# Altium PCB DIOT_temperature_logger.PcbDoc (part 7 of 8) (continued)
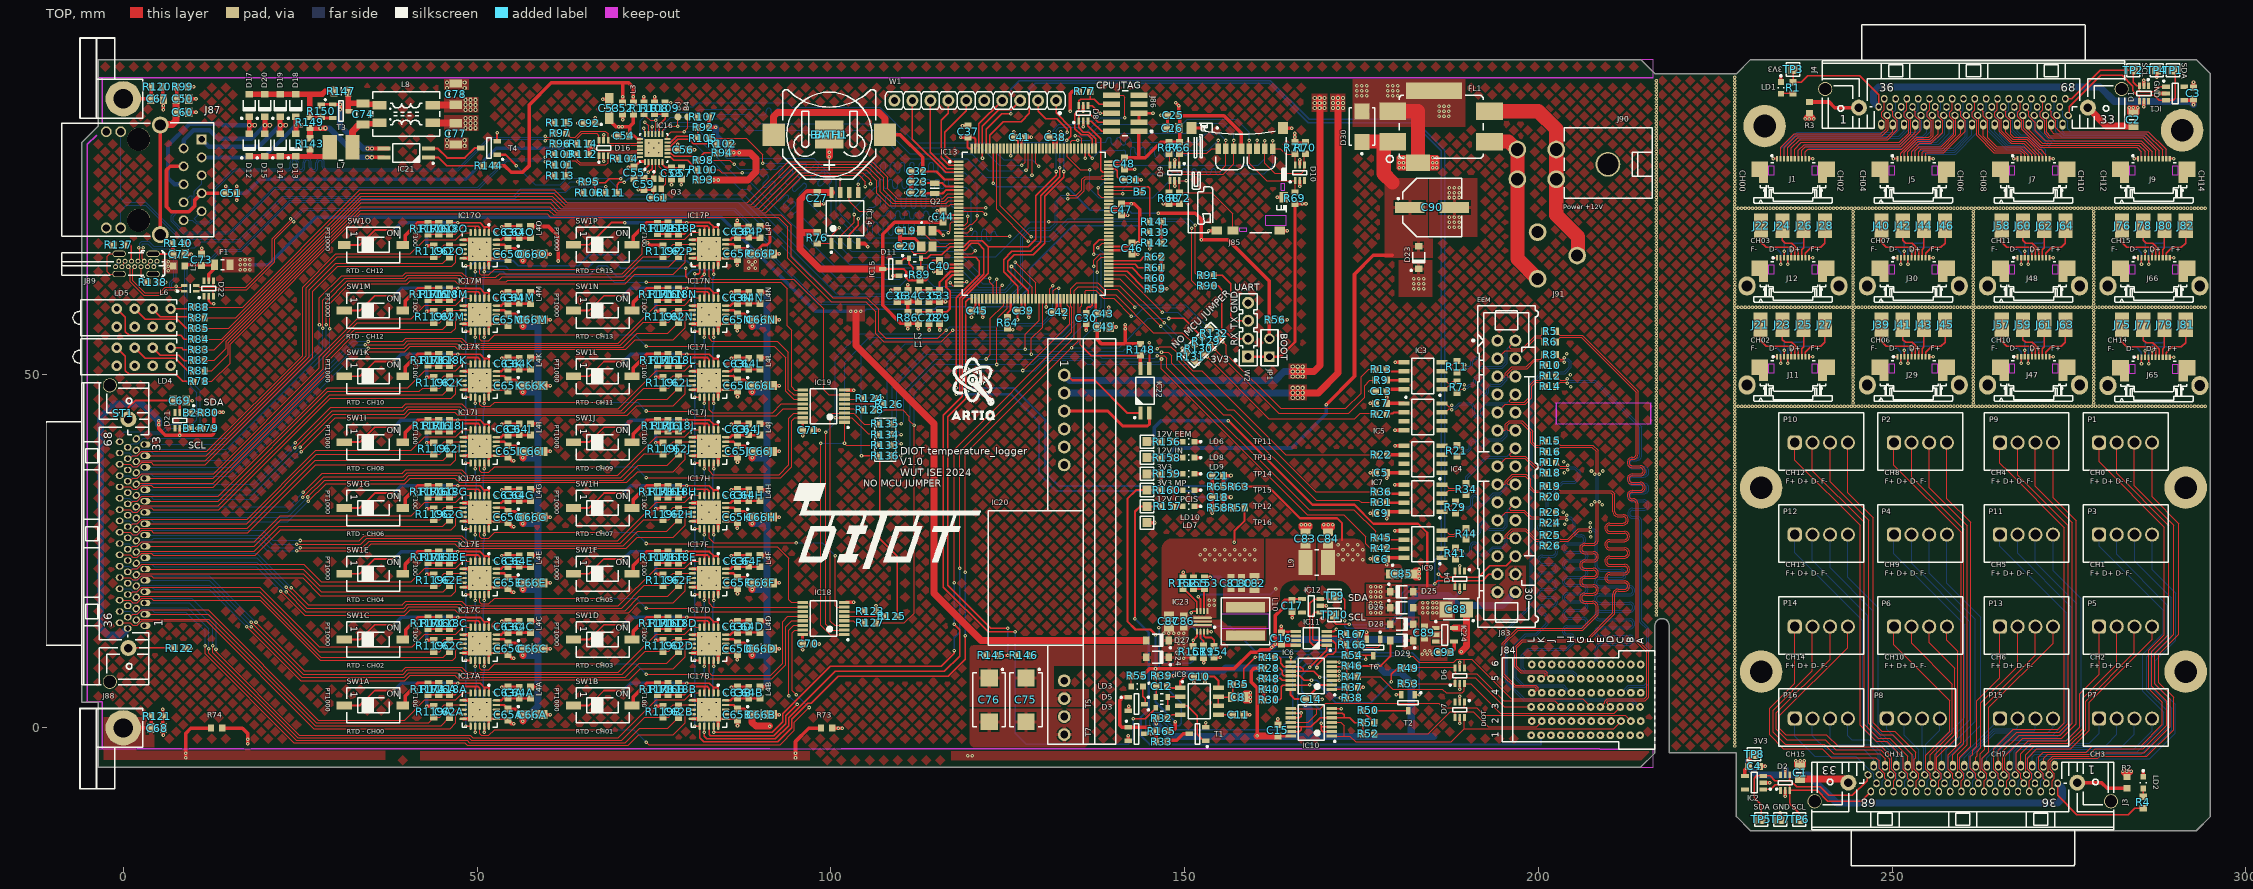
[diagram p0: TOP view]
## Nets (pads, with @x,y where several pads share a name; then routed paths per layer and width w, separated by ;. In a path a pad name is that pad's centre, name@x,y a point inside that pad or via, vN(x,y) a via of type N, cw(c..) or ccw(c..) an arc to the next point about the centre after c; other vN are vias at no path point) (continued)
  TOP w0.171: R109.1@76.605,88.375 R109.1@76.58,88.35 77.38,88.35 v1(77.387,88.357) ; IC13.35@118.055,63 119.18,63 v1(119.205,63.025)
  BOT w0.171: v1(77.387,88.357) 77.37,88.375 75.68,88.375 73.08,85.775 73.08,83.775 73.668,83.187 76.992,83.187 80.118,83.187 87.205,76.1 88.28,76.1 100.68,63.7 107.355,63.7 107.63,63.425 109.73,63.425 110.605,64.3 112.605,64.3 114.53,62.375 118.555,62.375 v1(119.205,63.025)
RMII_RXD0: IC13.44 R98.1 | length 64.7
  TOP w0.171: R98.1@82.78,80.25 85.705,80.25 v1(86.33,79.625) ; IC13.44@123.43,60.625 v1(123.43,63.425)
  BOT w0.171: v1(86.33,79.625) 87.03,78.925 91.972,78.925 92.092,78.925 ccw(c92.092,79.504) 92.501,79.094 92.67,79.262 cw(c92.91,79.022) 93.15,79.262 cw(c92.91,79.022) 93.15,78.783 92.711,78.343 ccw(c92.95,78.104) 92.711,77.864 ccw(c92.95,78.104) 93.19,77.864 94.081,78.755 cw(c94.321,78.515) 94.561,78.755 cw(c94.321,78.515) 94.561,78.275 93.67,77.384 ccw(c93.91,77.144) 93.67,76.904 ccw(c93.91,77.144) 94.15,76.904 95.041,77.795 cw(c95.281,77.555) 95.521,77.795 cw(c95.281,77.555) 95.521,77.315 94.63,76.424 ccw(c94.87,76.184) 94.63,75.944 ccw(c94.87,76.184) 95.11,75.944 96.001,76.835 cw(c96.241,76.595) 96.481,76.835 cw(c96.241,76.595) 96.481,76.355 95.59,75.464 ccw(c95.83,75.224) 95.59,74.984 ccw(c95.83,75.224) 96.07,74.984 96.321,75.236 cw(c96.561,74.996) 96.801,75.236 cw(c96.561,74.996) 96.801,74.756 96.79,74.745 ccw(c97.03,74.505) 96.79,74.265 99.332,71.723 99.392,71.663 99.392,69.913 102.78,66.525 117.705,66.525 121.455,62.775 122.78,62.775 v1(123.43,63.425)
RMII_RXD1: IC13.45 R100.1 | length 64.7
  TOP w0.171: R100.1@82.78,78.85 84.155,78.85 84.555,78.45 v1(87.48,78.45) ; IC13.45@123.93,60.625 123.93,62.25 v1(124.23,62.55)
  BOT w0.171: v1(87.48,78.45) 89.705,78.45 90.043,78.112 90.103,78.052 ccw(c90.343,78.292) 90.583,78.052 90.614,78.083 cw(c90.854,77.843) 91.094,78.083 cw(c90.854,77.843) 91.094,77.603 90.445,76.954 ccw(c90.685,76.714) 90.445,76.474 ccw(c90.685,76.714) 90.925,76.474 91.574,77.123 cw(c91.814,76.884) 92.054,77.123 cw(c91.814,76.884) 92.054,76.644 91.405,75.995 ccw(c91.645,75.755) 91.405,75.515 ccw(c91.645,75.755) 91.885,75.515 92.534,76.164 cw(c92.774,75.924) 93.014,76.164 cw(c92.774,75.924) 93.014,75.684 92.365,75.035 ccw(c92.604,74.795) 92.365,74.555 ccw(c92.604,74.795) 92.844,74.555 93.493,75.204 cw(c93.733,74.964) 93.973,75.204 cw(c93.733,74.964) 93.973,74.724 93.324,74.075 ccw(c93.564,73.835) 93.324,73.595 ccw(c93.564,73.835) 93.804,73.595 94.453,74.244 cw(c94.693,74.004) 94.933,74.244 cw(c94.693,74.004) 94.933,73.764 94.284,73.115 ccw(c94.524,72.875) 94.284,72.635 ccw(c94.524,72.875) 94.764,72.635 95.146,73.017 cw(c95.386,72.778) 95.626,73.017 cw(c95.386,72.778) 95.626,72.538 95.382,72.293 ccw(c95.622,72.053) 95.382,71.814 ccw(c95.622,72.053) 95.862,71.814 cw(c96.102,71.574) 96.341,71.814 100.925,67.23 100.985,67.17 102.605,65.55 117.63,65.55 120.93,62.25 123.93,62.25 v1(124.23,62.55)
RMII_TX_EN: IC13.126 IC16.16 | length 65.5
  TOP w0.171: IC16.16@74.73,83.85 v1(74.73,84.95) ; IC13.126@128.93,81.875 128.93,79.775 v1(129.355,79.35)
  BOT w0.171: v1(74.73,84.95) 74.73,86.3 76.18,87.75 80.58,87.75 81.205,88.375 93.93,88.375 94.58,87.725 96.055,87.725 106.905,87.725 111.955,82.675 122.03,82.675 122.455,82.25 122.515,82.19 ccw(c122.755,82.43) 122.995,82.19 123.114,82.308 cw(c123.354,82.068) 123.594,82.308 cw(c123.354,82.068) 123.594,81.828 123.475,81.71 ccw(c123.715,81.47) 123.475,81.23 124.135,80.57 124.196,80.509 124.43,80.275 128.43,80.275 v1(129.355,79.35)
RMII_TXD0: IC13.128 IC16.17 | length 64.1
  TOP w0.171: v1(73.73,85.575) 74.23,85.075 IC16.17@74.23,83.85 ; v1(127.58,78.775) 127.93,79.125 IC13.128@127.93,81.875
  BOT w0.171: v1(73.73,85.575) 74.205,85.1 74.205,84.7 74.53,84.375 75.455,84.375 77.38,86.3 81.505,86.3 81.955,86.75 88.105,86.75 89.455,85.4 96.178,85.4 101.542,85.4 106.855,85.4 111.13,81.125 119.93,81.125 122.305,78.75 127.58,78.75 v1(127.58,78.775)
RMII_TXD1: IC13.127 IC16.18 | length 64.8
  TOP w0.171: v1(73.555,84.75) 73.73,84.575 IC16.18@73.73,83.85 ; v1(128.43,78.075) IC13.127@128.43,81.875
  BOT w0.171: v1(73.555,84.75) 73.555,84.25 73.955,83.85 75.805,83.85 77.53,85.575 82.105,85.575 82.605,86.075 86.73,86.075 88.355,84.45 106.33,84.45 110.38,80.4 119.255,80.4 121.83,77.825 128.18,77.825 v1(128.43,78.075)
RST: IC8.3 T1.1 | length 7.1
  TOP w0.2: IC8.3@149.38,3.115 150.39,3.115 151.805,1.7 151.805,-0.9 152.705,-1.8 T1.1@152.955,-1.8
RSTn: D3.1 D11.2 IC13.25 J86.10 R89.1 | length 154.1
  TOP w0.152: J86.10@139.63,89.39 141.29,89.39 141.53,89.15 v1(141.53,86.2)
  TOP w0.2: R89.1@112.58,64.85 112.73,65 D11.2@112.73,66.05 ; D11.2@112.73,66.35 113.655,66.35 114.13,66.825 115.705,66.825 116.88,68 IC13.25@118.055,68 118.805,68 119.63,68.825 121.428,68.825 122.253,68 ; v1(126.03,13.55) 122.23,13.55 115.905,19.875 115.905,44.15 118.605,46.85 118.605,60.575 120.005,61.975 120.009,61.975 121.633,63.599 121.633,63.603 122.253,64.223 122.253,68 ; v1(131.855,78.625) 131.855,78.075 128.98,75.2 128.98,69.05 127.93,68 122.253,68 ; v1(142.755,1.3) 144.455,1.3 145.93,2.775 D3.1@145.93,2.85
  BOT w0.152: v1(131.855,78.625) 131.855,84.475 132.28,84.9 134.855,84.9 135.505,84.25 136.18,84.25 138.13,86.2 v1(141.53,86.2)
  BOT w0.2: v1(126.03,13.55) 126.03,-0.775 127.589,-2.334 141.996,-2.334 142.755,-1.575 v1(142.755,1.3)
RTDIN_N00: C62A.1 IC17A.8 J88.2 | length 53.4
  TOP w0.152: J88.2@1.83,15.245 1.964,15.379 12.051,15.379 27.105,0.325 44.905,0.325 46.055,1.475 47.18,2.6 IC17A.8@48.03,2.6
RTDIN_N01: C62B.1 IC17B.8 J88.4 | length 90.5
  TOP w0.152: v1(12.08,11.175) 12.08,10.575 24.43,-1.775 48.606,-1.775 48.931,-2.1 70.93,-2.1 73.005,-0.025 76.93,-0.025 79.58,2.625 IC17B.8@80.43,2.625
  BOT w0.152: J88.4@1.83,16.845 1.964,16.979 9.105,16.979 12.08,14.004 v1(12.08,11.175)
RTDIN_N02: C62C.1 IC17C.8 J88.6 | length 50.6
  TOP w0.152: J88.6@1.83,18.445 1.964,18.579 19.301,18.579 27.93,9.95 45.255,9.95 C62C.1@46.08,10.775 47.18,11.875 IC17C.8@48.03,11.875
RTDIN_N03: C62D.1 IC17D.8 J88.8 | length 86.6
  TOP w0.152: v1(18.105,14.275) 25.255,7.125 39.68,7.125 40.355,7.8 47.205,7.8 47.88,7.125 70.955,7.125 72.955,9.125 76.805,9.125 78.455,10.775 79.58,11.9 IC17D.8@80.43,11.9
  BOT w0.152: J88.8@1.83,20.045 1.964,20.179 12.201,20.179 v1(18.105,14.275)
RTDIN_N04: C62E.1 IC17E.8 J88.10 | length 48.1
  TOP w0.152: J88.10@1.83,21.645 1.964,21.779 25.426,21.779 27.955,19.25 45.23,19.25 46.055,20.075 47.18,21.2 IC17E.8@48.03,21.2
RTDIN_N05: C62F.1 IC17F.8 J88.12 | length 84
  TOP w0.152: v2(23.03,19.2) 25.805,16.425 39.68,16.425 40.355,17.1 47.205,17.1 47.73,16.575 70.93,16.575 72.955,18.6 76.955,18.6 78.442,20.087 79.58,21.225 IC17F.8@80.43,21.225
  BOT w0.152: J88.12@1.83,23.245 1.96,23.375 2.491,23.375 2.494,23.378 4.157,23.378 4.16,23.375 18.855,23.375 v2(23.03,19.2)
RTDIN_N06: C62G.1 IC17G.8 J88.14 | length 48.5
  TOP w0.152: J88.14@1.83,24.845 1.964,24.979 18.534,24.979 22.055,28.5 45.18,28.5 46.055,29.375 47.18,30.5 IC17G.8@48.03,30.5
RTDIN_N07: C62H.1 IC17H.8 J88.16 | length 81.9
  TOP w0.152: v1(25.005,25.475) 33.805,25.475 34.73,26.4 40.355,26.4 47.205,26.4 47.88,25.725 70.68,25.725 72.73,27.775 76.83,27.775 78.442,29.387 79.58,30.525 IC17H.8@80.43,30.525
  BOT w0.152: J88.16@1.83,26.445 1.977,26.592 4.097,26.592 4.28,26.775 19.38,26.775 20.68,25.475 v1(25.005,25.475)
RTDIN_N08: C62I.1 IC17I.8 J88.18 | length 51.1
  TOP w0.152: J88.18@1.83,28.045 1.964,28.179 17.509,28.179 27.13,37.8 45.205,37.8 C62I.1@46.08,38.675 47.18,39.775 IC17I.8@48.03,39.775
RTDIN_N09: C62J.1 IC17J.8 J88.20 | length 83.4
  TOP w0.152: v2(26.08,32.625) 28.48,35.025 39.68,35.025 40.355,35.7 47.205,35.7 47.905,35 70.68,35 72.755,37.075 76.855,37.075 78.455,38.675 79.58,39.8 IC17J.8@80.43,39.8
  BOT w0.152: J88.20@1.83,29.645 1.964,29.779 23.259,29.779 26.055,32.575 26.055,32.6 v2(26.08,32.625)
RTDIN_N10: C62K.1 IC17K.8 J88.22 | length 53.6
  TOP w0.152: J88.22@1.83,31.245 1.964,31.379 13.434,31.379 29.155,47.1 45.18,47.1 46.055,47.975 47.18,49.1 IC17K.8@48.03,49.1
RTDIN_N11: C62L.1 IC17L.8 J88.24 | length 85.8
  TOP w0.152: v2(24.98,39.625) 24.98,39.65 29.655,44.325 39.68,44.325 40.355,45 47.205,45 47.705,44.5 48.53,44.5 70.78,44.5 72.705,46.425 76.88,46.425 78.442,47.988 79.58,49.125 IC17L.8@80.43,49.125
  BOT w0.152: J88.24@1.83,32.845 1.96,32.975 2.491,32.975 2.496,32.979 4.159,32.979 4.163,32.975 18.33,32.975 v2(24.98,39.625)
RTDIN_N12: C62M.1 IC17M.8 J88.26 | length 57.2
  TOP w0.152: J88.26@1.83,34.445 1.964,34.579 10.826,34.579 12.734,34.579 28.673,50.518 28.673,52.293 32.705,56.325 45.13,56.325 C62M.1@46.08,57.275 47.18,58.375 IC17M.8@48.03,58.375
RTDIN_N13: C62N.1 IC17N.8 J88.28 | length 88.3
  TOP w0.152: v1(34.605,53.625) 39.68,53.625 40.355,54.3 47.205,54.3 47.73,53.775 70.63,53.775 72.605,55.75 76.93,55.75 78.455,57.275 79.58,58.4 IC17N.8@80.43,58.4
  BOT w0.152: J88.28@1.83,36.045 1.964,36.179 15.284,36.179 32.73,53.625 v1(34.605,53.625)
RTDIN_N14: C62O.1 IC17O.8 J88.30 | length 64.2
  TOP w0.152: J88.30@1.83,37.645 1.964,37.779 11.609,37.779 26.305,52.475 26.305,61.925 30.03,65.65 45.18,65.65 C62O.1@46.08,66.55 47.18,67.65 IC17O.8@48.03,67.65
RTDIN_N15: C62P.1 IC17P.8 J88.32 | length 94.7
  TOP w0.152: v1(28.68,56.95) 28.68,60.15 31.68,63.15 39.93,63.15 40.355,63.575 47.205,63.575 47.73,63.05 54.105,63.05 54.305,63.25 70.805,63.25 72.73,65.175 77.08,65.175 C62P.1@78.48,66.575 79.58,67.675 IC17P.8@80.43,67.675
  BOT w0.152: J88.32@1.83,39.245 1.964,39.379 14.534,39.379 28.68,53.525 v1(28.68,56.95)
RTDIN_P00: C62A.2 IC17A.7 J88.3 R119A.2 | length 53.1
  TOP w0.152: J88.3@2.98,16.045 12.01,16.045 27.305,0.75 43.155,0.75 R119A.2@43.88,1.475 ; R119A.2@43.88,1.5 44.705,1.5 44.93,1.725 44.93,2.85 45.33,3.25 IC17A.7@48.03,3.25
RTDIN_P01: C62B.2 IC17B.7 J88.5 R119B.2 | length 90.4
  TOP w0.152: v1(12.63,11.6) 12.63,10.625 24.68,-1.425 48.83,-1.425 49.155,-1.75 70.43,-1.75 73.705,1.525 77.105,1.525 77.33,1.75 77.33,2.875 77.73,3.275 IC17B.7@80.43,3.275
  BOT w0.152: J88.5@2.98,17.645 9.336,17.645 12.63,14.351 v1(12.63,11.6)
RTDIN_P02: C62C.2 IC17C.7 J88.7 R119C.2 | length 49.9
  TOP w0.152: J88.7@2.98,19.245 3.96,19.245 19.26,19.245 27.73,10.775 39.305,10.775 R119C.2@43.88,10.775 44.705,10.775 44.93,11 44.93,12.125 45.33,12.525 IC17C.7@48.03,12.525
RTDIN_P03: C62D.2 IC17D.7 J88.9 R119D.2 | length 86.1
  TOP w0.152: v1(18.08,14.95) 25.43,7.6 39.58,7.6 40.155,8.175 47.63,8.175 48.23,7.575 70.53,7.575 73.755,10.8 76.28,10.8 77.105,10.8 77.33,11.025 77.33,12.15 77.73,12.55 IC17D.7@80.43,12.55
  BOT w0.152: J88.9@2.98,20.845 12.185,20.845 v1(18.08,14.95)
RTDIN_P04: C62E.2 IC17E.7 J88.11 R119E.2 | length 47.4
  TOP w0.152: J88.11@2.98,22.445 25.435,22.445 27.78,20.1 43.855,20.1 R119E.2@43.88,20.075 ; R119E.2@43.88,20.1 44.705,20.1 44.93,20.325 44.93,21.45 45.33,21.85 IC17E.7@48.03,21.85
RTDIN_P05: C62F.2 IC17F.7 J88.13 R119F.2 | length 83.6
  TOP w0.152: v2(23.03,19.85) 25.955,16.925 39.605,16.925 40.155,17.475 47.63,17.475 48.205,16.9 70.43,16.9 73.655,20.125 76.28,20.125 77.105,20.125 77.33,20.35 77.33,21.475 77.73,21.875 IC17F.7@80.43,21.875
  BOT w0.152: J88.13@2.98,24.045 18.835,24.045 v2(23.03,19.85)
RTDIN_P06: C62G.2 IC17G.7 J88.15 R119G.2 | length 48
  TOP w0.152: J88.15@2.98,25.645 18.5,25.645 22.255,29.4 39.305,29.4 43.88,29.4 44.705,29.4 44.93,29.625 44.93,30.75 45.33,31.15 IC17G.7@48.03,31.15
RTDIN_P07: C62H.2 IC17H.7 J88.17 R119H.2 | length 81.4
  TOP w0.152: v1(24.505,25.95) 33.555,25.95 34.38,26.775 40.155,26.775 47.63,26.775 48.305,26.1 70.255,26.1 73.58,29.425 77.105,29.425 77.33,29.65 77.33,30.775 77.73,31.175 IC17H.7@80.43,31.175
  BOT w0.152: J88.17@2.98,27.245 19.66,27.245 20.955,25.95 v1(24.505,25.95)
RTDIN_P08: C62I.2 IC17I.7 J88.19 R119I.2 | length 50.5
  TOP w0.152: J88.19@2.98,28.845 17.448,28.845 22.905,34.302 22.905,34.325 27.255,38.675 39.305,38.675 R119I.2@43.88,38.675 44.705,38.675 44.93,38.9 44.93,40.025 45.33,40.425 IC17I.7@48.03,40.425
RTDIN_P09: C62J.2 IC17J.7 J88.21 R119J.2 | length 82.9
  TOP w0.152: v2(25.38,32.575) 28.305,35.5 39.58,35.5 40.155,36.075 47.63,36.075 48.355,35.35 70.28,35.35 73.63,38.7 76.28,38.7 77.105,38.7 77.33,38.925 77.33,40.05 77.73,40.45 IC17J.7@80.43,40.45
  BOT w0.152: J88.21@2.98,30.445 23.25,30.445 v2(25.38,32.575)
RTDIN_P10: C62K.2 IC17K.7 J88.23 R119K.2 | length 53
  TOP w0.152: J88.23@2.98,32.045 13.425,32.045 28.93,47.55 41.855,47.55 42.305,48 43.155,48 43.88,48 44.705,48 44.93,48.225 44.93,49.35 45.33,49.75 IC17K.7@48.03,49.75
RTDIN_P11: C62L.2 IC17L.7 J88.25 R119L.2 | length 85.3
  TOP w0.152: v2(24.255,39.575) 29.505,44.825 39.58,44.825 40.13,45.375 47.58,45.375 48.155,44.8 70.355,44.8 73.58,48.025 76.28,48.025 77.105,48.025 77.33,48.25 77.33,49.375 77.73,49.775 IC17L.7@80.43,49.775
  BOT w0.152: J88.25@2.98,33.645 18.325,33.645 v2(24.255,39.575)
RTDIN_P12: C62M.2 IC17M.7 J88.27 R119M.2 | length 56.6
  TOP w0.152: J88.27@2.98,35.245 12.725,35.245 28.23,50.75 28.23,52.45 31.205,55.425 31.23,55.425 33.08,57.275 R119M.2@43.88,57.275 44.705,57.275 44.93,57.5 44.93,58.625 45.33,59.025 IC17M.7@48.03,59.025
RTDIN_P13: C62N.2 IC17N.7 J88.29 R119N.2 | length 87.8
  TOP w0.152: v1(34.205,54.125) 39.605,54.125 40.155,54.675 47.63,54.675 48.23,54.075 70.255,54.075 73.48,57.3 77.105,57.3 77.33,57.525 77.33,58.65 77.73,59.05 IC17N.7@80.43,59.05
  BOT w0.152: J88.29@2.98,36.845 15.325,36.845 32.605,54.125 v1(34.205,54.125)
RTDIN_P14: C62O.2 IC17O.7 J88.31 R119O.2 | length 63.7
  TOP w0.152: J88.31@2.98,38.445 11.725,38.445 25.855,52.575 25.855,62.175 30.23,66.55 39.305,66.55 R119O.2@43.88,66.55 44.705,66.55 44.93,66.775 44.93,67.9 45.33,68.3 IC17O.7@48.03,68.3
RTDIN_P15: C62P.2 IC17P.7 J88.33 R119P.2 | length 94.3
  TOP w0.152: v1(28.205,56.45) 28.205,60.425 31.305,63.525 39.73,63.525 40.155,63.95 47.63,63.95 48.23,63.35 53.13,63.35 53.53,63.75 70.655,63.75 73.48,66.575 R119P.2@76.28,66.575 77.105,66.575 77.33,66.8 77.33,67.925 77.73,68.325 IC17P.7@80.43,68.325
  BOT w0.152: J88.33@2.98,40.045 14.575,40.045 28.205,53.675 v1(28.205,56.45)
Rx: R90.2 W2.2 | length 11.5
  TOP w0.2: R90.2@153.78,62.45 R90.2@154.08,62.45 154.755,62.45 155.28,61.925 155.28,56.475 156.765,54.99 W2.2@158.98,54.99
RXD: IC13.137 R90.1 | length 48.8
  TOP w0.127: IC13.137@123.43,81.875 123.43,73.3 v1(127.93,68.8) ; v1(150.98,70.6) 150.98,63.17 151.7,62.45 R90.1@152.48,62.45
  BOT w0.152: v1(127.93,68.8) 130.93,68.8 133.755,71.625 149.955,71.625 v1(150.98,70.6)
SD_CK: D10.1 IC13.113 J85.5 R69.1 | length 42.3
  TOP w0.171: v1(134.555,83.7) 134.955,83.7 135.43,83.225 IC13.113@135.43,81.875 ; v1(159.13,83.009) J85.5@159.13,81.85 159.13,79.825 161.63,77.325 165.455,77.325 D10.1@165.48,77.35 ; R69.1@165.28,75.65 165.63,76 D10.1@165.63,77.35
  BOT w0.171: v1(134.555,83.7) 136.58,83.7 138.155,85.275 149.655,85.275 150.355,85.975 157.305,85.975 159.13,84.15 v1(159.13,83.009)
SD_CMD: D9.4 IC13.116 J85.3 R68.1 | length 42.4
  TOP w0.171: IC13.116@133.93,81.875 133.93,82.85 134.105,83.025 v1(134.88,83.025) ; R68.1@147.78,75.65 147.93,75.8 D9.4@147.93,77.75 ; D9.4@147.93,77.35 147.93,77.925 148.23,78.225 155.455,78.225 156.93,79.7 J85.3@156.93,81.85 v1(156.93,83.009)
  BOT w0.171: v1(134.88,83.025) 136.63,83.025 137.63,84.025 150.155,84.025 151.58,85.45 155.405,85.45 156.93,83.925 v1(156.93,83.009)
SD_D0: D10.4 IC13.98 J85.7 R70.1 | length 42.2
  TOP w0.171: v1(137.805,76.325) 137.805,75.4 138.205,75 IC13.98@139.305,75 ; v1@161.33,83.009 v1(161.33,82.959) J85.7@161.33,81.85 161.33,79.775 162.705,78.4 166.53,78.4 166.93,78.8 D10.4@166.93,79.55 166.93,80.9 R70.1@167.08,81.05
  BOT w0.171: v1(137.805,76.325) 140.98,79.5 160.38,79.5 161.33,80.45 v1(161.33,82.959)
SD_D1: D10.6 IC13.99 J85.8 R71.1 | length 40.9
  TOP w0.171: IC13.99@139.305,75.5 v1(141.28,75.5) ; v1@162.43,83.009 v1(162.43,82.959) J85.8@162.43,81.85 163.53,81.85 164.33,81.05 165.28,81.05 R71.1@165.48,80.85 ; R71.1@165.58,81.05 165.63,81 D10.6@165.63,79.55
  BOT w0.171: v1(141.28,75.5) 141.28,76.1 143.48,78.3 147.872,78.3 147.958,78.3 ccw(c147.958,78.639) 148.297,78.639 148.297,78.66 cw(c148.636,78.66) 148.636,78.999 cw(c148.636,78.66) 148.976,78.66 148.976,78.515 ccw(c149.315,78.515) 149.315,78.176 ccw(c149.315,78.515) 149.654,78.515 149.654,78.66 cw(c149.994,78.66) 149.994,78.999 cw(c149.994,78.66) 150.333,78.66 150.333,78.515 ccw(c150.672,78.515) 150.672,78.176 ccw(c150.672,78.515) 151.012,78.515 151.012,78.66 cw(c151.351,78.66) 151.351,78.999 cw(c151.351,78.66) 151.69,78.66 151.69,78.515 ccw(c152.03,78.515) 152.03,78.176 ccw(c152.03,78.515) 152.369,78.515 152.369,78.66 cw(c152.708,78.66) 152.708,78.999 cw(c152.708,78.66) 153.048,78.66 153.048,78.515 ccw(c153.387,78.515) 153.387,78.176 ccw(c153.387,78.515) 153.726,78.515 153.726,78.66 cw(c154.066,78.66) 154.066,78.999 cw(c154.066,78.66) 154.405,78.66 154.405,78.515 ccw(c154.744,78.515) 154.744,78.176 ccw(c154.744,78.515) 155.084,78.515 155.084,78.66 cw(c155.423,78.66) 155.423,78.999 cw(c155.423,78.66) 155.762,78.66 155.762,78.639 ccw(c156.102,78.639) 156.102,78.3 157.541,78.3 161.28,78.3 162.43,79.45 v1(162.43,82.959)
SD_D2: D9.1 IC13.111 J85.1 R66.1 | length 41.7
  TOP w0.171: D9.1@149.23,79.55 R66.1@149.23,81.1 ; R66.1@149.28,81.15 149.305,81.175 153.155,81.175 153.83,81.85 J85.1@154.73,81.85 v1(154.73,83.009)
  TOP w0.2: IC13.111@136.43,81.875 136.43,81 v1(136.955,80.475)
  BOT w0.171: v1(136.955,80.475) 138.105,81.625 140.588,81.625 141.352,81.625 cw(c141.352,81.286) 141.691,81.286 141.691,80.997 ccw(c142.03,80.997) 142.03,80.658 ccw(c142.03,80.997) 142.37,80.997 142.37,81.694 cw(c142.709,81.694) 142.709,82.033 cw(c142.709,81.694) 143.048,81.694 143.048,81.352 ccw(c143.388,81.352) 143.388,81.012 ccw(c143.388,81.352) 143.727,81.352 143.727,81.694 cw(c144.066,81.694) 144.066,82.033 cw(c144.066,81.694) 144.406,81.694 144.406,80.997 ccw(c144.745,80.997) 144.745,80.658 ccw(c144.745,80.997) 145.084,80.997 145.084,81.694 cw(c145.424,81.694) 145.424,82.033 cw(c145.424,81.694) 145.763,81.694 145.763,80.997 ccw(c146.102,80.997) 146.102,80.658 ccw(c146.102,80.997) 146.442,80.997 146.442,81.694 cw(c146.781,81.694) 146.781,82.033 cw(c146.781,81.694) 147.12,81.694 147.12,80.997 ccw(c147.46,80.997) 147.46,80.658 ccw(c147.46,80.997) 147.799,80.997 147.799,81.694 cw(c148.138,81.694) 148.138,82.033 cw(c148.138,81.694) 148.478,81.694 148.478,81.102 ccw(c148.817,81.102) 148.817,80.762 ccw(c148.817,81.102) 149.156,81.102 149.156,81.665 cw(c149.496,81.665) 149.496,82.004 cw(c149.496,81.665) 149.835,81.665 149.835,81.286 ccw(c150.174,81.286) 150.174,80.946 ccw(c150.174,81.286) 150.513,81.286 cw(c150.853,81.286) 150.853,81.625 153.047,81.625 153.346,81.625 v1(154.73,83.009)
SD_D3: D9.3 IC13.112 J85.2 R67.1 | length 41.5
  TOP w0.171: R67.1@147.78,81.15 147.93,81 D9.3@147.93,79.55 147.93,78.9 148.205,78.625 154.93,78.625 155.83,79.525 J85.2@155.83,81.85 v1(155.83,83.009)
  TOP w0.2: v1@135.93,80.525 IC13.112@135.93,81.875
  BOT w0.171: v1@135.93,80.525 135.93,81.175 137.48,82.725 138.545,82.725 138.63,82.725 ccw(c138.63,83.064) 138.97,83.064 138.97,83.08 cw(c139.309,83.08) 139.309,83.419 cw(c139.309,83.08) 139.648,83.08 139.648,82.698 ccw(c139.988,82.698) 139.988,82.359 ccw(c139.988,82.698) 140.327,82.698 140.327,83.08 cw(c140.666,83.08) 140.666,83.419 cw(c140.666,83.08) 141.006,83.08 141.006,82.698 ccw(c141.345,82.698) 141.345,82.359 ccw(c141.345,82.698) 141.684,82.698 141.684,83.08 cw(c142.024,83.08) 142.024,83.419 cw(c142.024,83.08) 142.363,83.08 142.363,83.064 ccw(c142.702,83.064) 142.702,82.725 144.844,82.725 151.63,82.725 152.88,83.975 154.864,83.975 v1(155.83,83.009)
  other v1: 135.93,80.475
SD_SW: D9.6 IC13.117 J85.12 R72.1 | length 36.6
  TOP w0.171: IC13.117@133.43,81.875 133.43,80.725 135.28,78.875 v1(136.605,78.875) ; R72.1@149.28,75.65 149.23,75.7 D9.6@149.23,77.35 v1(150.23,77.35) ; R72.1@149.53,75.8 149.68,75.65 153.83,75.65 156.83,72.65 J85.12@156.83,70.275
  BOT w0.171: v1(136.605,78.875) 136.605,76.2 137.855,74.95 145.479,74.95 147.879,77.35 v1(150.23,77.35)
SERVMOD: IC10.5 IC10.6 IC10.12 IC10.13 R51.2 R52.2 | length 16.9
  TOP w0.2: IC10.13@164.98,-0.525 166.23,-0.525 166.451,-0.304 166.451,0.125 ; IC10.12@164.98,0.125 166.451,0.125 ; IC10.6@170.78,2.075 172.305,2.075 172.555,1.825 172.555,1.425 ; R52.2@175.18,-0.85 R51.2@175.18,0.75 174.03,0.75 173.355,1.425 172.555,1.425 ; 166.451,0.125 166.98,0.125 167.855,0.125 169.155,1.425 IC10.5@170.78,1.425 172.555,1.425
SPI1_MISO: IC13.42
SPI1_MOSI: IC13.135
SPI1_NSS: IC13.40
SPI1_SCK: IC13.41
SPI4_CLK: IC13.65 IC17A.12 IC17B.12 IC17C.12 IC17D.12 IC17E.12 IC17F.12 IC17G.12 IC17H.12 IC17I.12 IC17J.12 IC17K.12 IC17L.12 IC17M.12 IC17N.12 IC17O.12 IC17P.12 R132.1 | length 305.1
  TOP w0.152: v1(117.455,20.475) 117.455,39.325 134.08,55.95 134.08,59.458 133.93,59.608 IC13.65@133.93,60.625 133.93,62.025 134.78,62.875 137.755,62.875 138.63,62 140.48,62 142.98,59.5 v1(142.98,59.425)
  TOP w0.2: v2(79.505,64.925) 79.505,63.85 79.855,63.5 81.505,63.5 v1(82.13,64.125) ; IC17B.12@82.13,0.225 v1(82.13,-0.6) 82.13,-1.225 82.48,-1.575 92.145,-1.575 94.017,0.297 94.017,1.392 100.626,8 116.055,8 118.205,10.15 118.205,13.875 v1@117.43,14.65
  TOP w0.254: v1(49.73,-0.6) IC17A.12@49.73,0.225 ; v1(49.73,8.7) IC17C.12@49.73,9.525 ; v1(49.73,18) IC17E.12@49.73,18.825 ; v1(49.73,27.3) IC17G.12@49.73,28.125 ; v1(49.73,36.6) IC17I.12@49.73,37.425 ; v1(49.73,45.9) IC17K.12@49.73,46.725 ; v1(49.73,55.2) IC17M.12@49.73,56.025 ; v1(49.73,64.475) IC17O.12@49.73,65.3 ; v1(82.13,8.7) IC17D.12@82.13,9.525 ; v1(82.13,18) IC17F.12@82.13,18.825 ; v1(82.13,27.3) IC17H.12@82.13,28.125 ; v1(82.13,36.6) IC17J.12@82.13,37.425 ; v1(82.13,45.9) IC17L.12@82.13,46.725 ; v1(82.13,55.2) IC17N.12@82.13,56.025 ; v1(82.13,64.125) IC17P.12@82.13,65.325
  TOP w0.5: v1(153.105,56.825) R132.1@153.614,56.316
  BOT w0.152: v1(142.98,59.425) 143.38,59.825 150.105,59.825 v1(153.105,56.825)
  BOT w0.2: v1(49.73,-0.6) 49.73,0.825 49.88,0.975 49.88,7.675 49.73,7.825 v1(49.73,8.7) 49.73,10.125 49.88,10.275 49.88,16.975 49.73,17.125 v1(49.73,18) 49.73,19.425 49.88,19.575 49.88,26.275 49.73,26.425 v1(49.73,27.3) 49.73,28.725 49.88,28.875 49.88,35.575 49.73,35.725 v1(49.73,36.6) 49.73,38.025 49.88,38.175 49.88,44.875 49.73,45.025 v1(49.73,45.9) 49.73,47.325 49.88,47.475 49.88,54.175 49.73,54.325 v1(49.73,55.2) 49.73,56.625 49.88,56.775 49.88,63.475 49.73,63.625 v1(49.73,64.475) 50.23,64.475 50.967,65.213 54.03,65.213 54.567,64.675 65.305,64.675 66.605,65.975 69.255,65.975 70.305,64.925 v2(79.505,64.925) ; v1@82.13,-0.575 82.13,0.85 82.28,1 82.28,7.7 82.13,7.85 82.13,8.725 82.13,10.15 82.28,10.3 82.28,17 82.13,17.15 82.13,18.025 82.13,19.45 82.28,19.6 82.28,26.3 82.13,26.45 82.13,27.325 82.13,28.75 82.28,28.9 82.28,35.6 82.13,35.75 82.13,36.625 82.13,38.05 82.28,38.2 82.28,44.9 82.13,45.05 82.13,45.925 82.13,47.35 82.28,47.5 82.28,54.2 82.13,54.35 82.13,55.225 82.13,56.65 82.28,56.8 82.28,63.5 82.13,63.65 v1(82.13,64.125) ; v1(117.455,14.65) v1(117.455,20.475)
SPI4_MISO: IC13.66 IC17A.14 IC17B.14 IC17C.14 IC17D.14 IC17E.14 IC17F.14 IC17G.14 IC17H.14 IC17I.14 IC17J.14 IC17K.14 IC17L.14 IC17M.14 IC17N.14 IC17O.14 IC17P.14 R130.1 | length 299.4
  TOP w0.152: v1(118.205,22.575) 118.205,39 134.43,55.225 IC13.66@134.43,60.625 134.43,61.8 134.98,62.35 137.58,62.35 138.73,61.2 140.23,61.2 145.58,55.85 149.68,55.85 R130.1@151.414,54.116
  TOP w0.2: IC17B.14@83.43,0.225 v1(83.43,-0.6) 91.75,-0.6 93.197,0.847 93.197,1.992 99.93,8.725 115.63,8.725 117.455,10.55 v1(117.455,10.925)
  TOP w0.254: v1@51.03,-0.725 v1(51.03,-0.6) IC17A.14@51.03,0.225 ; v1@51.03,8.575 v1(51.03,8.7) IC17C.14@51.03,9.525 ; v1@51.03,17.875 v1(51.03,18) IC17E.14@51.03,18.825 ; v1@51.03,27.175 v1(51.03,27.3) IC17G.14@51.03,28.125 ; v1@51.03,36.475 v1(51.03,36.6) IC17I.14@51.03,37.425 ; v1@51.03,45.775 v1(51.03,45.9) IC17K.14@51.03,46.725 ; v1@51.03,55.075 v1(51.03,55.2) IC17M.14@51.03,56.025 ; v1@51.03,64.35 v1(51.03,64.475) IC17O.14@51.03,65.3 ; v1@83.43,8.575 v1(83.43,8.7) IC17D.14@83.43,9.525 ; v1@83.43,17.875 v1(83.43,18) IC17F.14@83.43,18.825 ; v1@83.43,27.175 v1(83.43,27.3) IC17H.14@83.43,28.125 ; v1@83.43,36.475 v1(83.43,36.6) IC17J.14@83.43,37.425 ; v1@83.43,45.775 v1(83.43,45.9) IC17L.14@83.43,46.725 ; v1@83.43,55.075 v1(83.43,55.2) IC17N.14@83.43,56.025 ; 83.43,64.375 IC17P.14@83.43,65.325
  BOT w0.2: v1@51.055,-0.575 v1(51.03,-0.6) 51.03,0.825 50.88,0.975 50.88,7.675 51.03,7.825 v1(51.03,8.7) 51.03,10.125 50.88,10.275 50.88,16.975 51.03,17.125 v1(51.03,18) 51.03,19.425 50.88,19.575 50.88,26.275 51.03,26.425 v1(51.03,27.3) 51.03,28.725 50.88,28.875 50.88,35.575 51.03,35.725 v1(51.03,36.6) 51.03,38.025 50.88,38.175 50.88,44.875 51.03,45.025 v1(51.03,45.9) 51.03,47.325 50.88,47.475 50.88,54.175 51.03,54.325 v1(51.03,55.2) 51.03,56.625 50.88,56.775 50.88,63.475 51.03,63.625 v1(51.03,64.475) 53.68,64.475 54.13,64.025 65.946,64.025 67.221,65.3 68.305,65.3 69.755,63.85 79.505,63.85 80.405,64.75 83.18,64.75 83.43,64.5 83.43,63.65 83.28,63.5 83.28,56.8 83.43,56.65 83.43,55.225 83.43,54.35 83.28,54.2 83.28,47.5 83.43,47.35 83.43,45.925 83.43,45.05 83.28,44.9 83.28,38.2 83.43,38.05 83.43,36.625 83.43,35.75 83.28,35.6 83.28,28.9 83.43,28.75 83.43,27.325 v1(83.43,27.3) 83.43,26.45 83.28,26.3 83.28,19.6 83.43,19.45 83.43,18.025 v1(83.43,18) 83.43,17.15 83.28,17 83.28,10.3 83.43,10.15 83.43,8.725 v1(83.43,8.7) 83.43,7.85 83.28,7.7 83.28,1 83.43,0.85 v1@83.43,-0.575 ; v1(117.455,10.925) 117.455,12.75 118.205,13.5 v1(118.205,22.575)
  other v1: 83.43,64.125